# Altium PCB MB1261.PcbDoc (part 1 of 6) (continued)
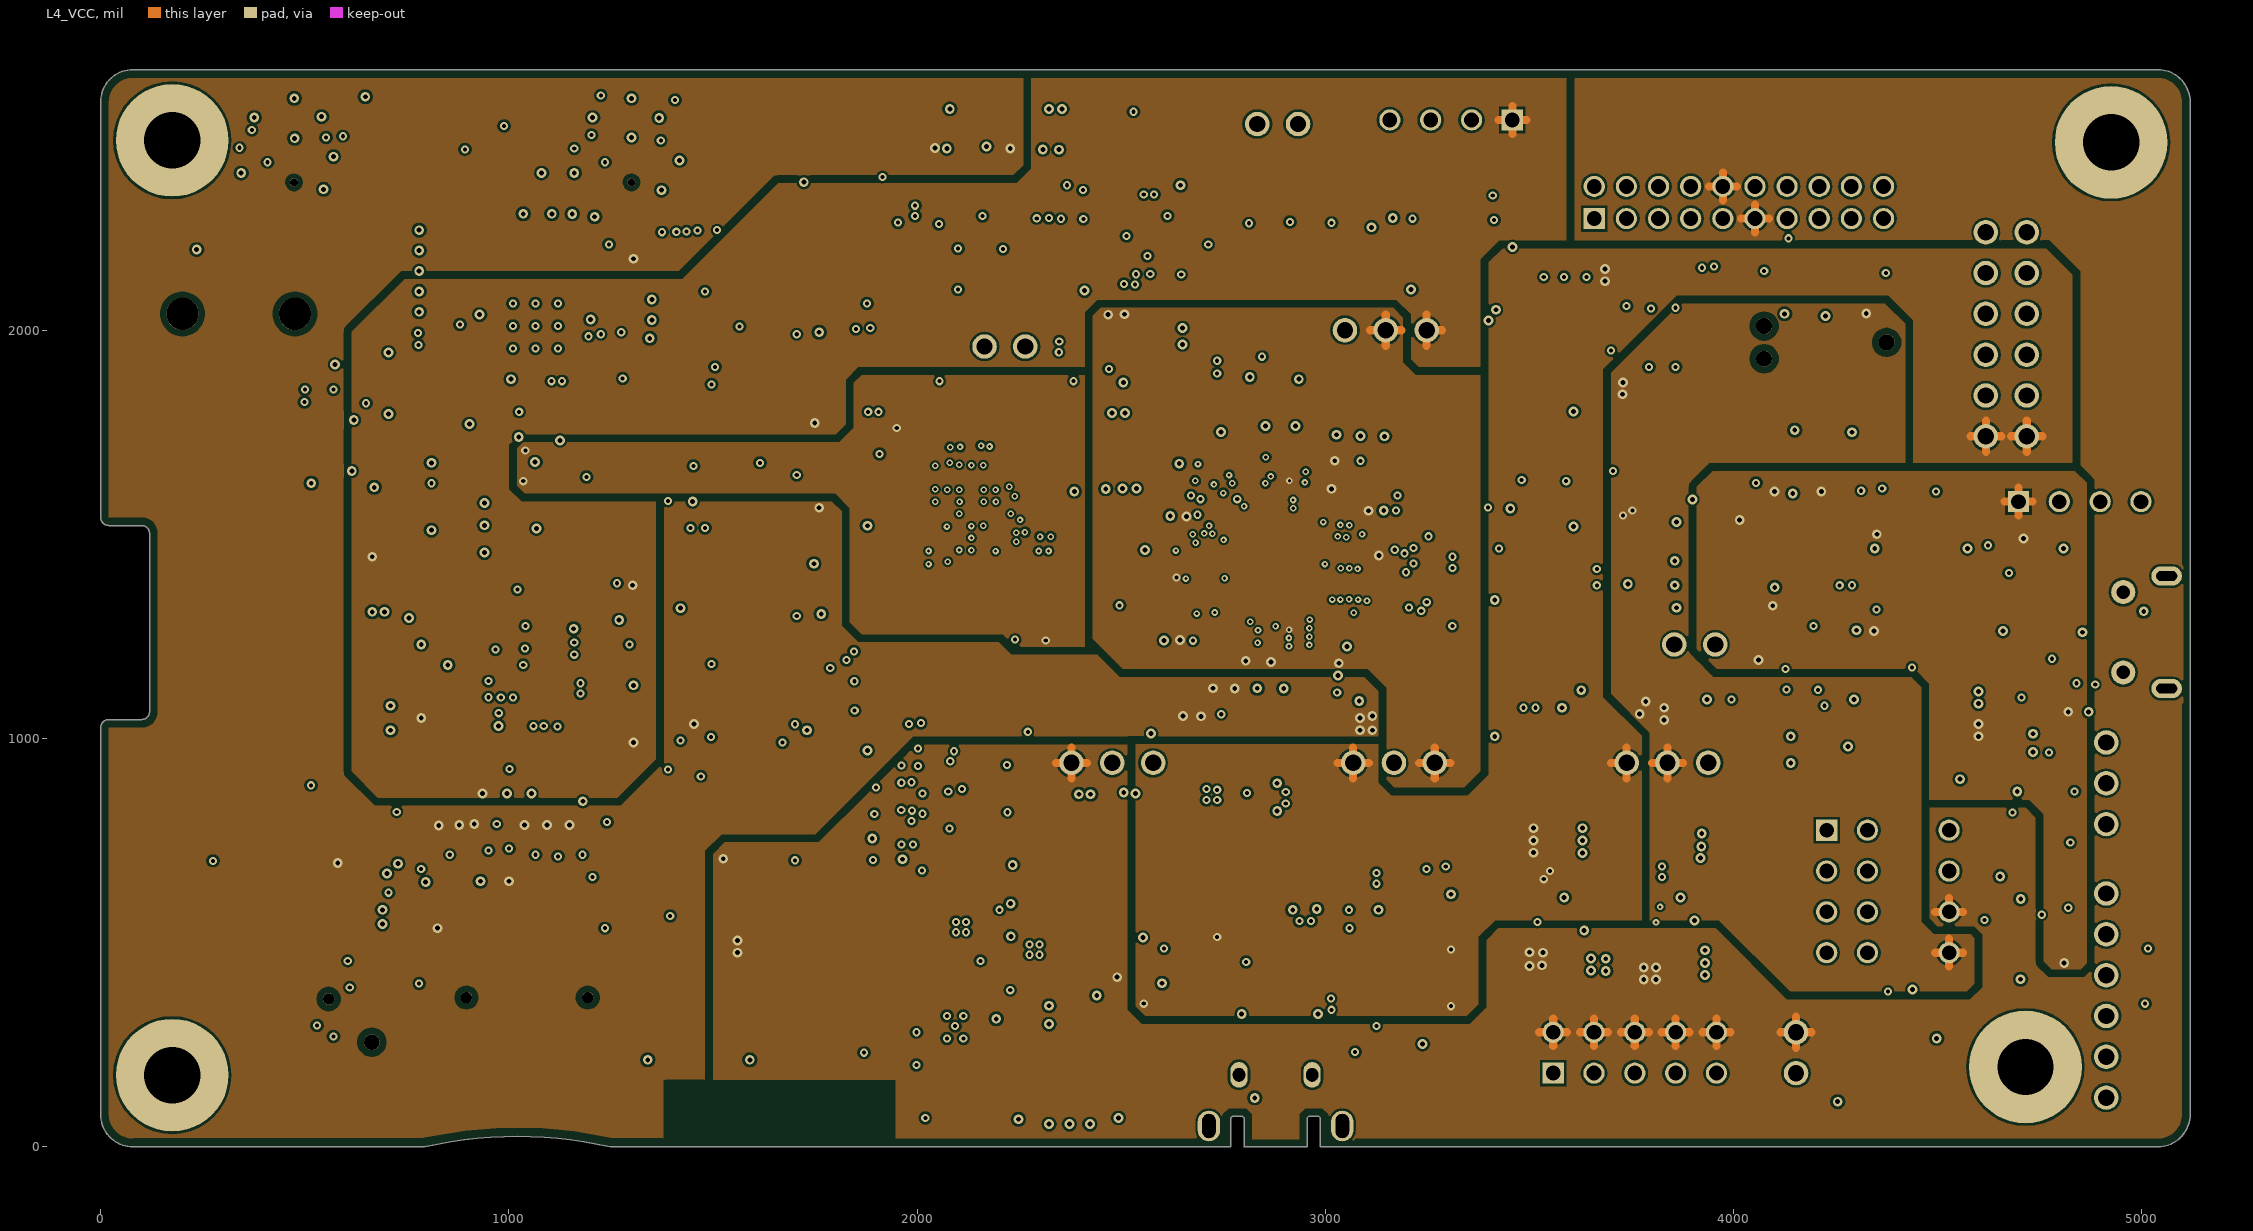
[diagram p4: L4_VCC]
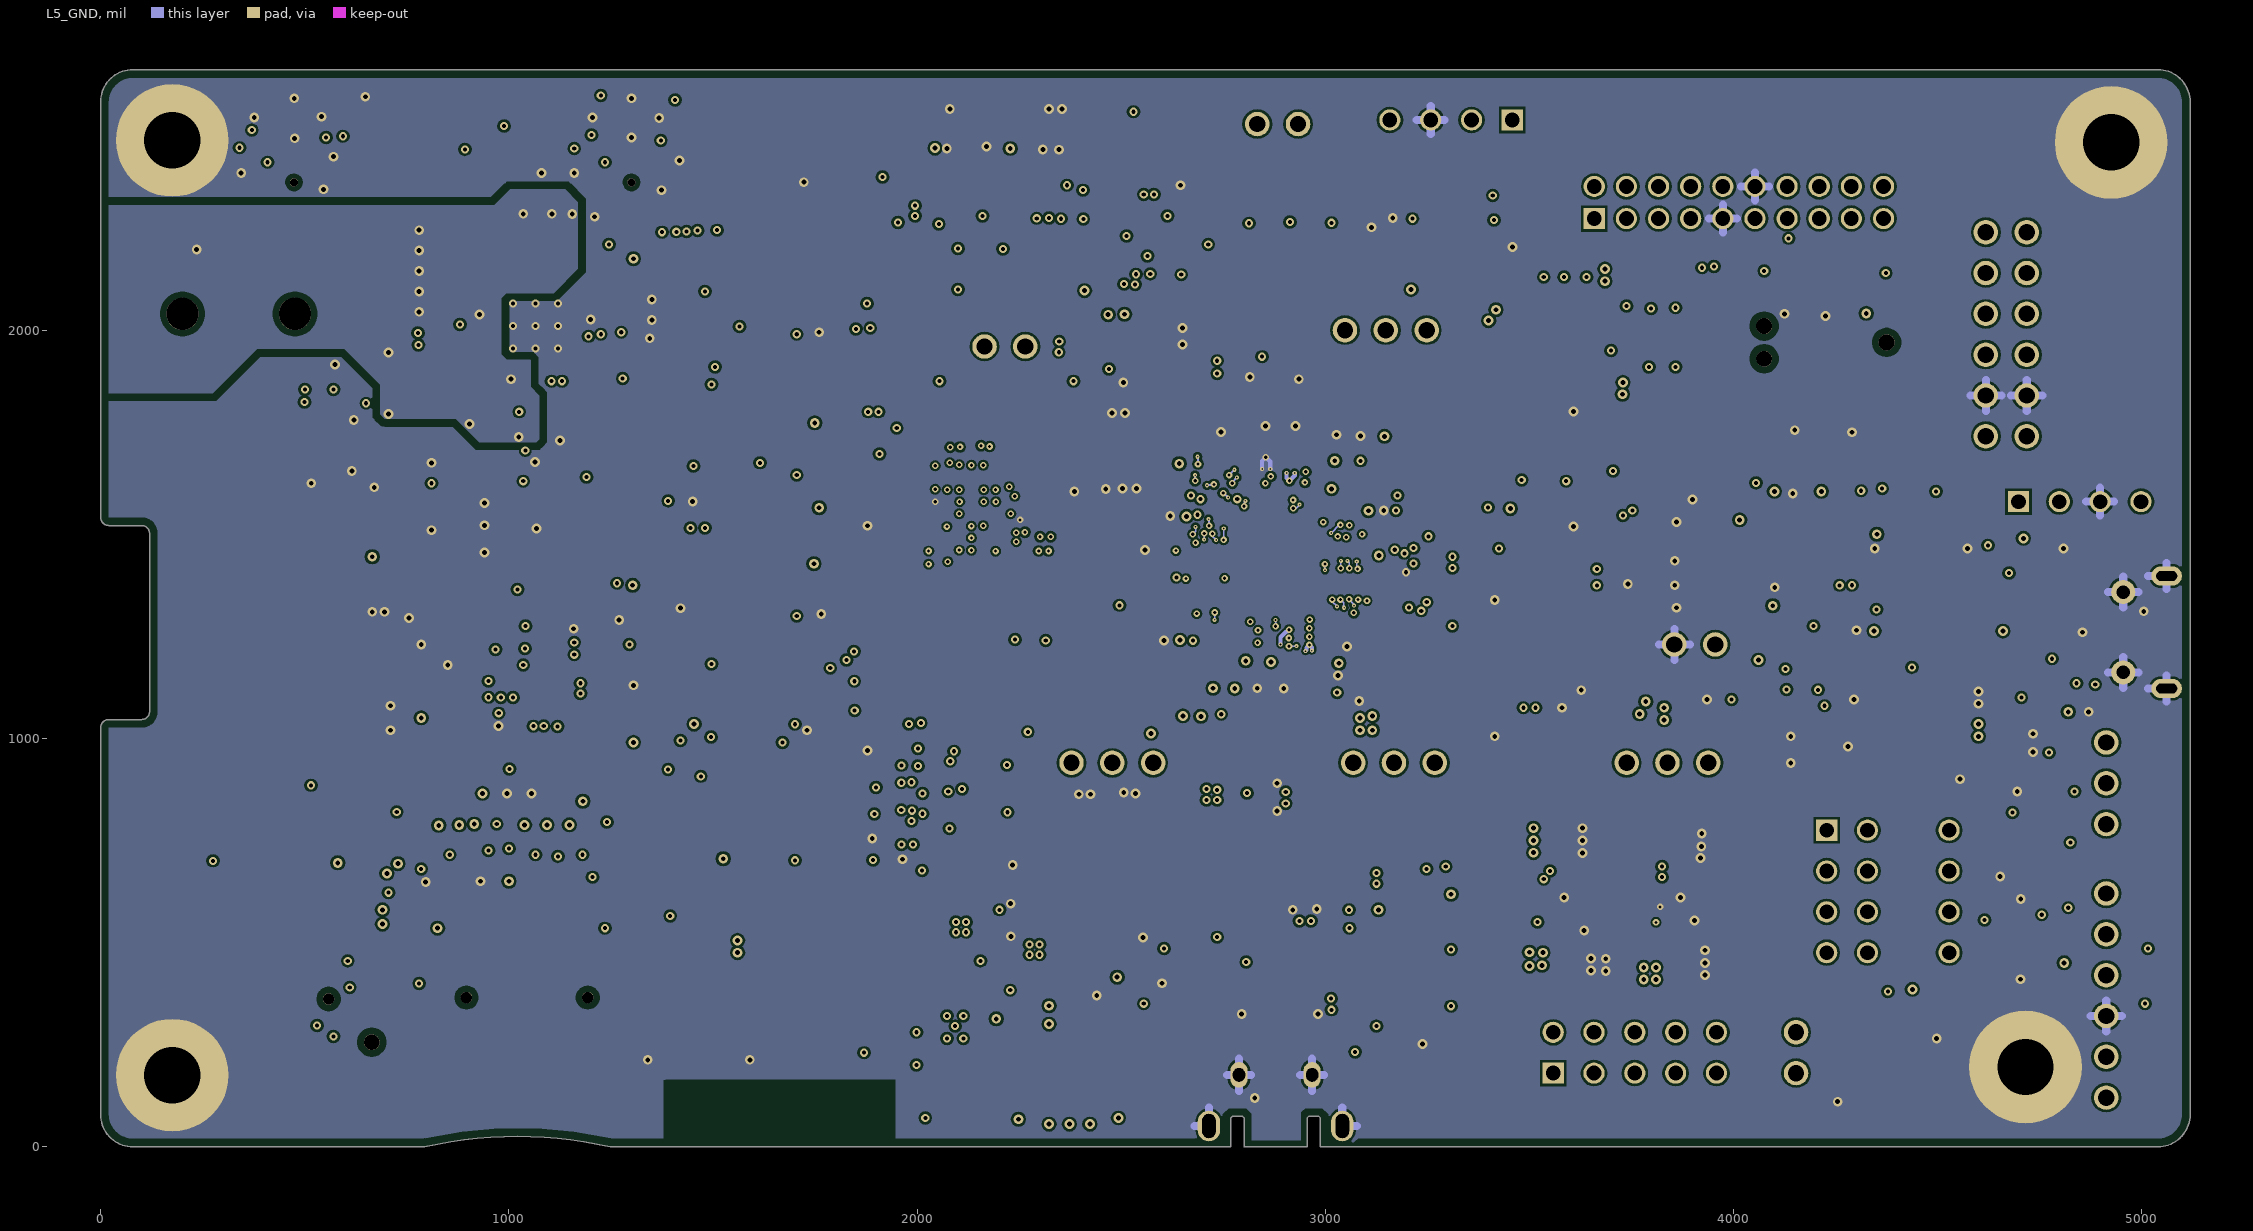
[diagram p5: L5_GND]

## Layer stack, top to bottom
Top Solder: solder mask 0.6, Solder Resist, Dk 3.5
TOP: signal copper 0.8
Dielectric 1: core 2.8, FR-4, Dk 4.3
L2_GND: signal copper 0.8
Dielectric2: core 4, FR-4, Dk 4.3
L3_SIG: signal copper 0.6
Dielectric3: core 43, FR-4, Dk 4.3
L4_VCC: signal copper 0.6
Dielectric4: core 4, FR-4, Dk 4.3
L5_GND: signal copper 0.8
Dielectric5: core 2.8, FR-4, Dk 4.3
BOTTOM: signal copper 0.8
Bottom Solder: solder mask 0.6, Solder Resist, Dk 3.5

## Board outline
-0.5,78.74 ccw(c78.74,78.74) 78.74,-0.5 793.1,-0.5 793.27,-0.47 cw(c1020.6,-1007.5) 1247.93,-0.47 1248.1,-0.5 2767.86,-0.5 2768.36,0 2768.36,70.07 2772.01,73.72 2797.18,73.72 2800.83,70.07 2800.83,0 2801.33,-0.5 2954.87,-0.5 2955.37,0 2955.37,70.07 2959.02,73.72 2984.19,73.72 2987.84,70.07 2987.84,0 2988.34,-0.5 5039.36,-0.5 ccw(c5039.36,78.74) 5118.6,78.74 5118.6,2559.05 ccw(c5039.36,2559.05) 5039.36,2638.29 78.74,2638.29 ccw(c78.74,2559.05) -0.5,2559.05 -0.5,1541.93 ccw(c20,1541.93) 20,1521.43 100,1521.43 cw(c100,1501.93) 119.5,1501.93 119.5,1065.71 cw(c100,1065.71) 100,1046.21 20,1046.21 ccw(c20,1025.71) -0.5,1025.71

## Design rules (kind name [scope] priority, off if disabled: settings)
Clearance Clearance_Chevron [HasFootprint('SB_0603')] p1: gap=6 ignorepadtopadclearanceinfootprint=TRUE except(0: Arc-Text Arc-Hole Track-Text Track-Hole SMDPad-Text SMDPad-Hole THPad-Text THPad-Hole Via-Text Via-Hole Fill-Text Fill-Hole Poly-Text Poly-Hole Region-Text Region-Hole Text-Text Text-Hole; 3: Fill-Fill Fill-Poly Fill-Region Poly-Poly Poly-Region Region-Region; 5: Arc-SMDPad Arc-THPad Arc-Via Track-SMDPad Track-THPad Track-Via SMDPad-SMDPad SMDPad-THPad SMDPad-Via THPad-THPad THPad-Via Via-Via; 10: Arc-Arc Arc-Track Track-Track)
Clearance Clearance_3mm_BBvia [WithinRoom('RoomDefinition_3MM')      or (ObjectKind = 'Via') And (AsMils(HoleDiameter) = 4) vs (ObjectKind = 'Via') And (AsMils(HoleDiameter) = 4)] p2: gap=0 ignorepadtopadclearanceinfootprint=FALSE except(3: Arc-Via Track-Via; 4: SMDPad-Via THPad-Via Via-Via; 5: Via-Fill Via-Poly Via-Region)
Clearance Clearance_3mm_BBvia_via [WithinRoom('RoomDefinition_3MM')      or isvia vs (ObjectKind = 'Via') And (AsMils(HoleDiameter) = 4)] p3: gap=0 ignorepadtopadclearanceinfootprint=FALSE except(3: Arc-Via Track-Via; 4: SMDPad-Via THPad-Via Via-Via; 5: Via-Fill Via-Poly Via-Region)
Clearance Clearance_3mm [TouchesRoom('RoomDefinition_3MM')] p4: gap=5 ignorepadtopadclearanceinfootprint=FALSE except(0: Arc-Text Track-Text SMDPad-Text THPad-Text Via-Text Fill-Text Poly-Text Region-Text Text-Text Text-Hole; 3: Arc-SMDPad Arc-THPad Arc-Via Track-SMDPad Track-THPad Track-Via SMDPad-Via THPad-Via Via-Via; 4: Arc-Arc Arc-Track Arc-Hole Track-Track Track-Hole Via-Hole; 15: Fill-Fill Fill-Poly Fill-Region Poly-Poly Poly-Region Region-Region)
Clearance Clearance_BGA [TouchesRoom('RoomDefinition_BGA1')  or TouchesRoom('RoomDefinition_BGA2')        or TouchesRoom('RoomDefinition_BGA3')    or TouchesRoom('RoomDefinition_BGA4')    or WithinRoom('RoomDefinition_BGA5')    or WithinRoom('RoomDefinition_BGA6')] p5: gap=5 ignorepadtopadclearanceinfootprint=FALSE except(0: Arc-Text Arc-Hole Track-Text Track-Hole SMDPad-Text SMDPad-Hole THPad-Text THPad-Hole Via-Text Via-Hole Fill-Text Fill-Hole Poly-Text Poly-Hole Region-Text Region-Hole Text-Text Text-Hole; 4: Arc-Arc Arc-Track Arc-SMDPad Arc-THPad Arc-Via Track-Track Track-SMDPad Track-THPad Track-Via SMDPad-Via THPad-Via; 15: Fill-Fill Fill-Poly Fill-Region Poly-Poly Poly-Region Region-Region)
Clearance Clearance_Default_L3_L4 [OnLayer('L3_SIG') or              OnLayer('L4_VCC')] p6: gap=6 ignorepadtopadclearanceinfootprint=FALSE except(0: Arc-Text Arc-Hole Track-Text Track-Hole SMDPad-Text SMDPad-Hole THPad-Text THPad-Hole Via-Text Via-Hole Fill-Text Fill-Hole Poly-Text Poly-Hole Region-Text Region-Hole Text-Text Text-Hole; 5: Arc-SMDPad Arc-THPad Arc-Via Track-SMDPad Track-THPad Track-Via SMDPad-SMDPad SMDPad-THPad SMDPad-Via THPad-THPad THPad-Via Via-Via; 8: Arc-Arc Arc-Track Track-Track; 20: Fill-Fill Fill-Poly Fill-Region Poly-Poly Poly-Region Region-Region)
Clearance Clearance_Default [All] p7: gap=6 ignorepadtopadclearanceinfootprint=FALSE except(0: Arc-Text Track-Text SMDPad-Text THPad-Text Via-Text Fill-Text Poly-Text Region-Text Text-Text Text-Hole; 5: Arc-SMDPad Arc-THPad Arc-Via Arc-Hole Track-SMDPad Track-THPad Track-Via Track-Hole SMDPad-SMDPad SMDPad-THPad SMDPad-Via SMDPad-Hole THPad-THPad THPad-Via THPad-Hole Via-Via Via-Hole; 10: Arc-Arc Arc-Track Track-Track; 20: Fill-Fill Fill-Poly Fill-Region Poly-Poly Poly-Region Region-Region)
ComponentClearance [All] p1: gap=0 collisioncheckmode=3 verticalgap=0 showdistances=FALSE
DiffPairsRouting [InDifferentialPairClass('90Ohms')] p1: maxlimit=10.2 minlimit=9.5 mostfreqgap=10.2 toplayer_mingap=10.2 toplayer_minwidth=4.8 toplayer_maxwidth=4.8 toplayer_prefwidth=4.8 midlayer1_mingap=10.2 midlayer1_minwidth=4.8 midlayer1_maxwidth=4.8 midlayer1_prefwidth=4.8 midlayer2_maxgap=9.5 midlayer2_prefgap=9.5 midlayer2_minwidth=5.5 midlayer2_maxwidth=5.5 midlayer2_prefwidth=5.5 midlayer3_maxgap=9.5 midlayer3_prefgap=9.5 midlayer3_minwidth=5.5 midlayer3_maxwidth=5.5 midlayer3_prefwidth=5.5 midlayer4_mingap=10.2 midlayer4_minwidth=4.8 midlayer4_maxwidth=4.8 midlayer4_prefwidth=4.8 bottomlayer_mingap=10.2 bottomlayer_minwidth=4.8 bottomlayer_maxwidth=4.8 bottomlayer_prefwidth=4.8 maxuncoupledlength=500
HoleSize [All] p1: absolutevalues=TRUE maxlimit=140 minlimit=1 maxpercent=80.000 minpercent=20.000
HoleToHoleClearance [All] p1: gap=5 allowstackedmicrovias=TRUE
PlaneConnect PlaneConnect_BGA8 [(ObjectKind = 'Component') And (Footprint = 'BGA8_0R312-0R25_1R11X1R41')] p1: planeconnectstyle=Direct reliefexpansion=20 reliefentries=4 reliefconductorwidth=10 reliefairgap=10
PlaneConnect [All] p2: planeconnectstyle=Relief reliefexpansion=20 reliefentries=4 reliefconductorwidth=10 reliefairgap=10
PolygonConnect PolygonConnect_Hole [(Component = 'H4') or (Component = 'H3') or (Component = 'H2')or (Component = 'H1')] p1: connectstyle=Direct reliefconductorwidth=10 reliefentries=4 polygonreliefangle="90 Angle" airgapwidth=10
PolygonConnect PolygonConnect_USB [(ObjectKind = 'Pad') And (Layer = 'TOP') And (Name = 'CN5-10') or  (ObjectKind = 'Pad') And (Layer = 'TOP') And (Name = 'CN5-11') or (ObjectKind = 'Pad') And (Layer = 'TOP') And (Name = 'CN8-10')] p2: connectstyle=Direct reliefconductorwidth=10 reliefentries=4 polygonreliefangle="90 Angle" airgapwidth=10
PolygonConnect PolygonConnect_U17-U16 [(ObjectKind = 'Pad') And (Name = 'U17-3') or (ObjectKind = 'Pad') And (Name = 'U16-3')] p3: connectstyle=Direct reliefconductorwidth=10 reliefentries=4 polygonreliefangle="90 Angle" airgapwidth=10
PolygonConnect PolygonConnect_via [IsVia] p4: connectstyle=Direct reliefconductorwidth=10 reliefentries=4 polygonreliefangle="90 Angle" airgapwidth=10
PolygonConnect PolygonConnect_bga8 [(ObjectKind = 'Pad') And (Component = 'U23')or (Component = 'U24')or (Component = 'U12')or (Component = 'U13')] p5: connectstyle=Direct reliefconductorwidth=10 reliefentries=4 polygonreliefangle="90 Angle" airgapwidth=10
PolygonConnect [All] p6: connectstyle=Relief reliefconductorwidth=10 reliefentries=4 polygonreliefangle="90 Angle" airgapwidth=6
RoomDefinition Power [InComponentClass('Power')] p1: confinementstyle=ConfineIn formatcopy=TRUE lockcomponents=FALSE outline 4918.63,1185 4967.03,1185 4967.03,1241.2 4918.63,1241.2
RoomDefinition PSRAM [InComponentClass('PSRAM')] p2: confinementstyle=ConfineIn formatcopy=TRUE lockcomponents=FALSE outline 4384,1384 4444,1384 4444,1474 4384,1474
RoomDefinition QSPI [InComponentClass('QSPI')] p3: confinementstyle=ConfineIn formatcopy=TRUE lockcomponents=FALSE outline 3780,565 3780,610 3790,620 3805,620 3820,605 3878,605 3878,535.3 3809.7,535.3
RoutingVias [All] p1: holewidth=12 width=24 viastyle="Through Hole" minholewidth=4 minwidth=10 maxholewidth=12 maxwidth=24
ShortCircuit [(ObjectKind = 'Pad') And (Component = 'SW1')] p1: allowed=TRUE
SolderMaskExpansion [All] p1: expansion=3
Width Width_20 [InNetClass('20MIL')] p1: maxlimit=100 minlimit=5 preferedwidth=20 minimp=50.000000 maximp=50.000000 favimp=50.000000
Width Width_3mm [TouchesRoom('RoomDefinition_3MM')] p2: maxlimit=100 minlimit=3.5 preferedwidth=3.5 minimp=50.000000 maximp=50.000000 favimp=50.000000
Width Width_BGA [WithinRoom('RoomDefinition_BGA1') or   WithinRoom('RoomDefinition_BGA2') or             WithinRoom('RoomDefinition_BGA3') or     WithinRoom('RoomDefinition_BGA4') or      WithinRoom('RoomDefinition_BGA5') or          WithinRoom('RoomDefinition_BGA6') or   WithinRoom('RoomDefinition_BGA7')] p3: maxlimit=12 minlimit=4 preferedwidth=4 midlayer1_maxwidth=10 midlayer2_maxwidth=10 midlayer3_maxwidth=10 midlayer4_maxwidth=10 bottomlayer_maxwidth=10 minimp=50.000000 maximp=50.000000 favimp=50.000000
Width [All] p4: maxlimit=100 minlimit=4 preferedwidth=4 toplayer_minwidth=5 toplayer_prefwidth=5 bottomlayer_minwidth=5 bottomlayer_prefwidth=5 minimp=60.000000 maximp=60.000000 favimp=60.000000
24 further rules are at their usual default settings.

## Classes and differential pairs
component class U_Top: H1 H2 H3 H4
component class TFT_LCD: C44 C47 C48 C55 C56 C57 C58 C59 C80 C82 C104 CN6 CN13 L4 L5 L6 L7 R52 R67 R73 R76 R77 R87 R88 R89 R99 R104 R115 R117 SB14 SB15 SB20 SB21 SB22 T11 T12 U15 Z1 ZZ1
component class STMOD+: CN2 CN3 SB4 SB5 SB6 SB7 SB8 SB9
component class ST_LINK: C19 C20 C23 C24 C29 C30 C31 C32 C33 C34 C35 C36 C46 C51 C86 C87 C92 C96 C105 CN4 CN5 CN7 CN14 D1 D2 D3 D4 JP6 JP10 LD4 LD5 R4 R5 R16 R17 R22 R23 R24 R25 R30 R31 R32 R33 R34 R35 R36 R37 R41 R44 R45 R46 R47 R48 R49 R50 R51 R53 R54 R55 R56 R59 R63 R66 R69 R70 R71 SB11 SB13 SW1 T2 U6 U7 U8 U9 U11 U22 X2
component class QSPI: C4 R6 R7 R8 R26 R27 R28 R29 SB3 U3
component class PSRAM: C15 C16 JP9 R12 R13 R14 R15 R129 R130 SB12 U4
component class Power: C37 C40 C41 C42 C43 C45 JP3 JP5 JP7 JP8 L2 L3 LD8 R68 U10 U12 U13 U23 U24
component class Peripherals: B1 B2 CN17 LD1 LD2 R1 R2 R60 R118 R119 R120 R121 R122
component class OTG: C54 CN8 D5 LD6 LD7 R57 R58 R62 R64 R65 R74 R75 SB16 T3 U14
component class MCU: C6 C7 C8 C9 C10 C11 C12 C13 C14 C17 C18 C21 C22 C25 C26 C27 C28 C81 C89 C95 C97 C98 C100 JP4 L1 R18 R20 R21 R42 R43 R93 U5 X1
component class IDD: C83 C84 C85 C88 C90 C91 C93 C94 C99 C101 C102 C103 CN9 D6 JP1 JP2 L8 R84 R85 R92 R94 R95 R96 R97 R98 R101 R102 R103 R105 R106 R107 R109 R110 R111 R112 R113 R114 R116 SB24 T4 T5 T6 T7 T8 T9 T10 U19 U20 U21
component class "Camera Interface": C60 C61 CN1 R100
component class Audio: C1 C2 C5 C62 C63 C64 C65 C66 C67 C68 C69 C70 C71 C72 C73 C74 C75 C76 C77 C78 C79 CN12 R78 R79 R80 R81 R82 R83 R86 R90 R91 SB17 SB18 SB19 U1 U2 U16 U17 U18
component class "Arduino_ Connectors": C3 CN10 CN11 CN15 CN16 LD3 R72 R123 R124 SB1 SB2 SB25 SB26 SB27 SB28 T1
net class PSRAM_A[0..18]: PSRAM_A0 PSRAM_A1 PSRAM_A2 PSRAM_A3 PSRAM_A4 PSRAM_A5 PSRAM_A6 PSRAM_A7 PSRAM_A8 PSRAM_A9 PSRAM_A10 PSRAM_A11 PSRAM_A12 PSRAM_A13 PSRAM_A14 PSRAM_A15 PSRAM_A16 PSRAM_A17 PSRAM_A18
net class D[0..15]: D0 D1 D2 D3 D4 D5 D6 D7 D8 D9 D10 D11 D12 D13 D14 D15
net class DCMI_D[0..7]: DCMI_D0 DCMI_D1 DCMI_D2 DCMI_D3 DCMI_D4 DCMI_D5 DCMI_D6 DCMI_D7
differential pair D_: +D_P -D_N

## Components (designator, comment, footprint, x,y, rotation, side; value= is the part's Value field where it differs from the comment)
B1 "TD-0341X-A00" PB10 1468.11,300 r180 top
B2 "MT008-A" MT-008A 614.56,306.78 r315 top
C1 "CC0603KRX7R7BB104" 0603C 618.1,2530 r0 top value=100nF
C2 "CC0603KRX7R7BB104" 0603C 1418.1,2490 r270 top value=100nF
C3 "[N/A]" 0603C 3153.1,2195 r90 top value=100nF
C4 "CC0603KRX7R7BB104" 0603C 3458.1,2130 r90 top value=100nF
C5 "CC0603KRX7R7BB104" 0603C 850,2045 r180 top value=100nF
C6 "TAJA475K016R" TAN-A 2545,1985 r180 top value=4.7uF
C7 "CC0603KRX7R7BB104" 0603C 2535,1835 r180 top value=100nF
C8 "TAJA105K016R" TAN-A 2545,1750 r0 top value=1uF
C9 "5.6pF" 0603C 2927.1,1682 r270 top
C10 "CC0603KRX7R7BB104" 0603C 2800,1680 r90 top value=100nF
C11 "5.6pF" 0603C 2853.1,1680 r270 top
C12 "CC0603KRX7R7BB104" 0603C 2993.1,1680 r90 top value=100nF
C13 "TAJA105K016R" TAN-A 2545,1660 r0 top value=1uF
C14 "CC0603KRX7R7BB104" 0603C 2535,1575 r180 top value=100nF
C15 "CC0603KRX7R7BB104" 0603C 2355,1565 r0 top value=100nF
C16 "CC0603KRX7R7BB104" 0603C 1908.1,1555 r180 top value=100nF
C17 "CC0603KRX7R7BB104" 0603C 3135,1515 r0 top value=100nF
C18 "CC0603KRX7R7BB104" 0603C 2633.1,1505 r180 top value=100nF
C19 "CC0603KRX5R7BB105" 0603C 3625,1453.1 r270 top value=1uF
C20 "CC0603JRNPO9BN100" 0603C 3924.1,1435 r0 top value=10pF
C21 "CC0603KRX7R7BB104" 0603C 2633.1,1425 r180 top value=100nF
C22 "CC0603KRX7R7BB104" 0603C 3135,1410 r0 top value=100nF
C23 "CC0603JRNPO9BN100" 0603C 3925,1375 r0 top value=10pF
C24 "CC0603KRX7R7BB104" 0603C 3925,1320 r180 top value=100nF
C25 "CC0603KRX7R7BB104" 0603C 2635,1275 r180 top value=100nF
C26 "CC0603KRX7R7BB104" 0603C 2833.1,1190 r270 top value=100nF
C27 "CC0603KRX7R7BB104" 0603C 2898.1,1190 r270 top value=100nF
C28 "CC0603KRX7R7BB104" 0603C 2998.1,1190 r270 top value=100nF
C29 "CC0603KRX7R7BB104" 0603C 3550,1118.1 r180 top value=100nF
C30 "CC0603KRX7R7BB104" 0603C 4840,1100 r180 top value=100nF
C31 "CC0603KRX7R7BB104" 0603C 4490,1060 r90 top value=100nF
C32 "CC0603KRX5R7BB105" 0603C 4555,1060 r90 top value=1uF
C33 "CC0603KRX7R7BB104" 0603C 4210,1005 r180 top value=100nF
C34 "CC0603KRX7R7BB104" 0603C 4765,870 r180 top value=100nF
C35 "CC0603KRX5R7BB105" 0603C 4210,940 r180 top value=1uF
C36 "CC0603KRX7R9BB103" 0603C 4525,940 r0 top value=10nF
C37 "TAJA106K016R" TAN-A 2563.1,815 r0 top value=10uF
C40 "GRM155R60J106ME11" 0402C 3575,755 r0 top value=10uF
C41 "GRM155R60J106ME11" 0402C 3858.1,745 r0 top value=10uF
C42 "GRM155R60J106ME11" 0402C 3590,450 r0 top value=10uF
C43 "GRM155R60J106ME11" 0402C 3865,460 r0 top value=10uF
C44 "CC0603KRX7R7BB104" 0603C 2165,615 r0 top value=100nF
C45 "TAJB106K025RNJ" TAN-B 2323.1,615 r90 top value=10uF
C46 "CC0603KRX7R7BB104" 0603C 4653.1,585 r90 top value=100nF
C47 "CC0603KRX7R9BB103" 0603C 2025,545 r0 top value=10nF
C48 "CC1206KKX7R9BB475" 1206C 2015,475 r0 top value=4.7uF
C51 "CC0603KRX7R7BB104" 0603C 4733.1,450 r0 top value=100nF
C54 "CC0603KRX5R7BB475" 0603C 3208.1,295 r0 top value=4.7uF
C55 "TAJA106K016R" TAN-A 2493.1,170 r90 top value=10uF
C56 "GRM31CR71A475KA01L" 1206C 2248.1,165 r270 top value=4.7uF
C57 "CC0603KRX7R9BB103" 0603C 2323.1,130 r270 top value=10nF
C58 "CC0603KRX7R7BB104" 0603C 2373.1,130 r270 top value=100nF
C59 "CC0603KRX7R7BB104" 0603C 2423.1,130 r270 top value=100nF
C60 "CC0603KRX7R7BB104" 0603C 2038.1,2520 r90 bottom value=100nF
C61 "TAJA106K016R" TAN-A 2283.1,2495 r180 bottom value=10uF
C62 "[N/A]" 0603C 1200,2415 r270 bottom value=100nF
C63 "[N/A]" 0603C 378.1,2415 r270 bottom value=100nF
C64 "CC0603JRNPO9BN151" 0603C 1155,2215 r90 bottom value=150pF
C65 "CC0603JRNPO9BN151" 0603C 1105,2215 r90 bottom value=150pF
C66 "CC0603KRX7R7BB104" 0603C 1035,2215 r270 bottom value=100nF
C67 "CC0603KRX5R7BB105" 0603C 935,2215 r270 bottom value=1uF
C68 "C1608X5R1A106KT000E" 0603C 850,2195 r0 bottom value=10uF
C69 "CC0603KRX5R7BB105" 0603C 850,2145 r0 bottom value=1uF
C70 "CC0603KRX5R7BB105" 0603C 850,2095 r0 bottom value=1uF
C71 "CC0603KRX7R7BB104" 0603C 1275,2075 r180 bottom value=100nF
C72 "CC0603KRX7R7BB104" 0603C 850,2045 r180 bottom value=100nF
C73 "CC0603KRX7R7BB104" 0603C 1275,2025 r0 bottom value=100nF
C74 "CC0603KRX5R7BB105" 0603C 1275,1955 r0 bottom value=1uF
C75 "CC0603KRX7R8BB223" 0603C 850,1910 r180 bottom value=22nF
C76 "CC0603KRX7R8BB223" 0603C 850,1840 r180 bottom value=22nF
C77 "CC0603KRX5R7BB105" 0603C 1050,1800 r270 bottom value=1uF
C78 "CC0603KRX5R7BB105" 0603C 995,1800 r90 bottom value=1uF
C79 "CC0603KRX5R7BB105" 0603C 945,1800 r90 bottom value=1uF
C80 "CC0603KRX7R7BB104" 0603C 740,1675 r0 bottom value=100nF
C81 "CC0603KRX7R7BB104" 0603C 2885,1650 r180 bottom value=100nF
C82 "CC0603KRX7R7BB104" 0603C 740,1625 r180 bottom value=100nF
C83 "CC0603KRX7R7BB104" 0603C 1390,1611.9 r180 bottom value=100nF
C84 "CC0603KRX5R7BB105" 0603C 1480,1580 r90 bottom value=1uF
C85 "CC0603KRX7R7BB104" 0603C 1005,1576.9 r0 bottom value=100nF
C86 "CC0603KRX7R7BB104" 0603C 4134.1,1555 r0 bottom value=100nF
C87 "CC0603KRX7R7BB104" 0603C 4394.1,1485 r270 bottom value=100nF
C88 "CC0603KRX7R7BB104" 0603C 1360,1455 r270 bottom value=100nF
C89 "CC0603KRX7R7BB104" 0603C 3135,1410 r0 bottom value=100nF
C90 "CC0603KRX7R7BB104" 0603C 1390,1365 r0 bottom value=100nF
C91 "TAJA105K016R" TAN-A 735,1365 r0 bottom value=1uF
C92 "CC0603KRX7R7BB104" 0603C 4054.1,1340 r90 bottom value=100nF
C93 "CC0603KRX7R7BB104" 0603C 1303.1,1295 r270 bottom value=100nF
C94 "CC0603KRX7R7BB104" 0603C 785,1260 r180 bottom value=100nF
C95 "CC0603KRX7R7BB104" 0603C 2988.1,1225 r0 bottom value=100nF
C96 "CC0603KRX7R7BB104" 0603C 4314.1,1215 r180 bottom value=100nF
C97 "CC0603KRX7R7BB104" 0603C 2898.1,1190 r270 bottom value=100nF
C98 "CC0603KRX7R7BB104" 0603C 2833.1,1190 r270 bottom value=100nF
C99 "[N/A]" 0603C 815,1170 r270 bottom value=100nF
C100 "TAJA105K016R" TAN-A 3028.1,1145 r180 bottom value=1uF
C101 "CC0603KRX7R7BB104" 0603C 1305,1055 r90 bottom value=100nF
C102 "CC0603KRX7R7BB104" 0603C 785,1020 r180 bottom value=100nF
C103 "CC0603KRX7R7BB104" 0603C 965,865 r270 bottom value=100nF
C104 "CC0603KRX7R7BB104" 0603C 1855,715 r90 bottom value=100nF
C105 "CC0603KRX7R7BB104" 0603C 4768,1262 r0 bottom value=100nF
CN1 "FPU330ZH-BT1D3-CA" FPU330ZH-BT1D3-CA 2318.1,2492.5 r180 top
CN2 "SQT-110-01-F-D-RA" SQT-110-01-F-D-RA 4018.04,2448.42 r180 top
CN3 "SSW-106-02-F-D-RA" SSW-106-02-F-D-RA 4847.6,1990 r90 top
CN4 "Tag-10_C" TC2050-IDC-NL 4224.8,1970 r180 top
CN5 "1050170001" MICRO_USB_B_105017 5041.15,1260 r90 top
CN6 "FH26-29S-0.3SHW" FH26-29S-0R3SHW 1989.85,834.63 r270 top
CN7 "313106S111116" HDR_1X6_2R54_W 4913.1,370 r90 top
CN8 "475900001" MOLEX_47590001 2878.1,77.74 r0 top
CN9 "[N/A]" HDR_1X4_2R54 3308.1,2515 r0 bottom
CN10 "SSW-110-22-X-S-VS" SSW-110-22-X-S-VS 2963.1,2262.5 r180 bottom
CN11 "SSW-108-22-X-S-VS" SSW-108-22-X-S-VS 2003.1,2262.5 r180 bottom
CN12 "PJ3028B-3" PJ3028B 348.25,2040 r180 bottom
CN13 "DF37NB-10DS-0.4V (5x)" DF37NB-10DS-0R4V 556.56,1716.42 r180 bottom
CN14 "[N/A]" HDR_1X4_2R54 4848.1,1580 r180 bottom
CN15 "SSW-108-22-X-S-VS" SSW-108-22-X-S-VS 2703.1,362.5 r0 bottom
CN16 "SSW-106-22-X-S-VS" SSW-106-22-X-S-VS 1903.1,362.5 r0 bottom
CN17 "PJS008-2000" MSD_PJS008_ 1035.6,315 r0 bottom
D1 "BAT60JFILM" SOD-323 4428.1,1685 r270 top
D2 "[N/A]" SOD-323 3966.84,585 r270 top
D3 "BAT60JFILM" SOD-323 4042.1,585 r270 top
D4 "[N/A]" SOD-323 4117.1,585 r270 top
D5 "ESDA6V1BC6" SOT23-6L 2890.89,325 r270 top
D6 "BAT60JFILM" SOD-323 686,1175 r270 bottom
H1 "POSITION HOLE" HOLE_C7D3R5 4715,195 r0 top
H2 "POSITION HOLE" HOLE_C7D3R5 175,2465 r0 top
H3 "POSITION HOLE" HOLE_C7D3R5 175,175 r0 top
H4 "POSITION HOLE" HOLE_C7D3R5 4925,2460 r0 top

## Text inside footprints (layer, text, board x,y; h text height)
U23: DXF_0731 "E3" at 3553.02,584.69 h16 r180; DXF_0731 "C3" at 3553.02,565 h16 r180; DXF_0731 "E1" at 3577.58,584.69 h16 r180; DXF_0731 "D2" at 3565.3,574.84 h16 r180; DXF_0731 "C1" at 3577.58,565 h16 r180; DXF_0731 "B2" at 3565.3,555.16 h16 r180; DXF_0731 "A3" at 3553.02,545.31 h16 r180; DXF_0731 "A1" at 3577.58,545.31 h16 r180; DXF_0731 "BGA8_0R312X0R25_1R11X1R41" at 3248.1,665 h30 r180; DXF_0731 "Sofer Lib Information" at 3774.1,268 h23.62 r180; DXF_0731 "Ref PN: ST1PS01" at 3744.1,318 h23.62 r180; DXF_0731 "Creat : Ziv" at 3744.1,358 h23.62 r180; DXF_0731 "Date  : 2016-05-27" at 3744.1,398 h23.62 r180; DXF_0731 "Rev   : A1" at 3744.1,438 h23.62 r180; DXF_0731 "Remark: D031-023A1" at 3744.1,478 h23.62 r180; DXF_0731 "NO" at 3550.1,575 h35 r180; Top Overlay "A" at 3627,549 h16 r180; Top Overlay "E" at 3626,591 h16 r180; Top Overlay "3" at 3565,525 h16 r180; Top Overlay "1" at 3596,524 h16 r180
U24: DXF_0731 "E3" at 3828.02,584.69 h16 r180; DXF_0731 "C3" at 3828.02,565 h16 r180; DXF_0731 "E1" at 3852.58,584.69 h16 r180; DXF_0731 "C1" at 3852.58,565 h16 r180; DXF_0731 "D2" at 3840.3,574.84 h16 r180; DXF_0731 "A1" at 3852.58,545.31 h16 r180; DXF_0731 "A3" at 3828.02,545.31 h16 r180; DXF_0731 "B2" at 3840.3,555.16 h16 r180; DXF_0731 "BGA8_0R312X0R25_1R11X1R41" at 3523.1,665 h30 r180; DXF_0731 "Sofer Lib Information" at 4049.1,268 h23.62 r180; DXF_0731 "Ref PN: ST1PS01" at 4019.1,318 h23.62 r180; DXF_0731 "Creat : Ziv" at 4019.1,358 h23.62 r180; DXF_0731 "Date  : 2016-05-27" at 4019.1,398 h23.62 r180; DXF_0731 "Rev   : A1" at 4019.1,438 h23.62 r180; DXF_0731 "Remark: D031-023A1" at 4019.1,478 h23.62 r180; DXF_0731 "NO" at 3825.1,575 h35 r180; Top Overlay "A" at 3899.7,550 h16 r180; Top Overlay "E" at 3899.7,590 h16 r180; Top Overlay "3" at 3839,526 h16 r180; Top Overlay "1" at 3869,525 h16 r180
X1: DXF_0731 "2" at 2836.42,1820 h16 r180; DXF_0731 "1" at 2926.98,1820 h16 r180; DXF_0731 "XTAL_2SM_3R2X1R5" at 2651.1,1920 h30 r180; DXF_0731 "Sofer Lib Information" at 3043.1,1510 h25 r180; DXF_0731 "Ref PN: FC-135" at 3013.1,1560 h25 r180; DXF_0731 "Creat : Yuki" at 3013.1,1600 h25 r180; DXF_0731 "Date  : 2008-04-02" at 3013.1,1640 h25 r180; DXF_0731 "Rev   : A1" at 3013.1,1680 h25 r180; DXF_0731 "Remark: 32.768KHz" at 3013.1,1720 h25 r180; DXF_0731 "OK" at 2850.1,1836.67 h35 r180
X2: DXF_0731 "2" at 3786.54,1429.21 h16.14 r90; DXF_0731 "1" at 3786.54,1330.79 h16.14 r90; DXF_0731 "OK" at 3764.97,1380 h35.04 r90; DXF_0731 "Remark: ***" at 3696.15,1274.09 h25 r90; DXF_0731 "Rev   : A1" at 3655.99,1274.09 h25 r90; DXF_0731 "Date  : 2009-09-21" at 3615.83,1274.09 h25 r90; DXF_0731 "Creat : Sofer Tech" at 3576.07,1274.09 h25 r90; DXF_0731 "Ref PN: Yuki" at 3535.91,1274.09 h25 r90; DXF_0731 "Sofer Lib Information" at 3485.91,1244.17 h25 r90; DXF_0731 "XTAL_2SM_3R2X2R5" at 3721.08,1394.96 h30 r90
Z1: DXF_0731 "1" at 1911.03,260 h16 r270; DXF_0731 "2" at 1911.03,350 h16 r270; DXF_0731 "DO-216AA" at 1702.1,330 h30 r270; DXF_0731 "Approved" at 1794.43,350 h35 r270; DXF_0731 "Sofer Lib Information" at 2240.1,496 h25 r270; DXF_0731 "Ref PN: ***" at 2190.1,466 h25 r270; DXF_0731 "Creat : Sofer Tech" at 2150.1,466 h25 r270; DXF_0731 "Date  : 2007-12-11" at 2110.1,466 h25 r270; DXF_0731 "Rev   : B1" at 2070.1,466 h25 r270; DXF_0731 "Remark: ***" at 2030.1,466 h25 r270